# Altium PCB LimeSDR-QPCIe_1v2.PcbDoc (part 8 of 21)
Units mm, origin at the board's own origin, x right, y up, seen from the top; angles counter-clockwise.
Board outline 190 x 111.15 mm, 14 copper layers (Top, L2, L3, L4, L5, L6, L7, L8, L9, L10, L11, L12, L13, Bottom), stack 1.907 mm thick; 2014 components, 1408 nets, 9111 pads, 4171 vias.
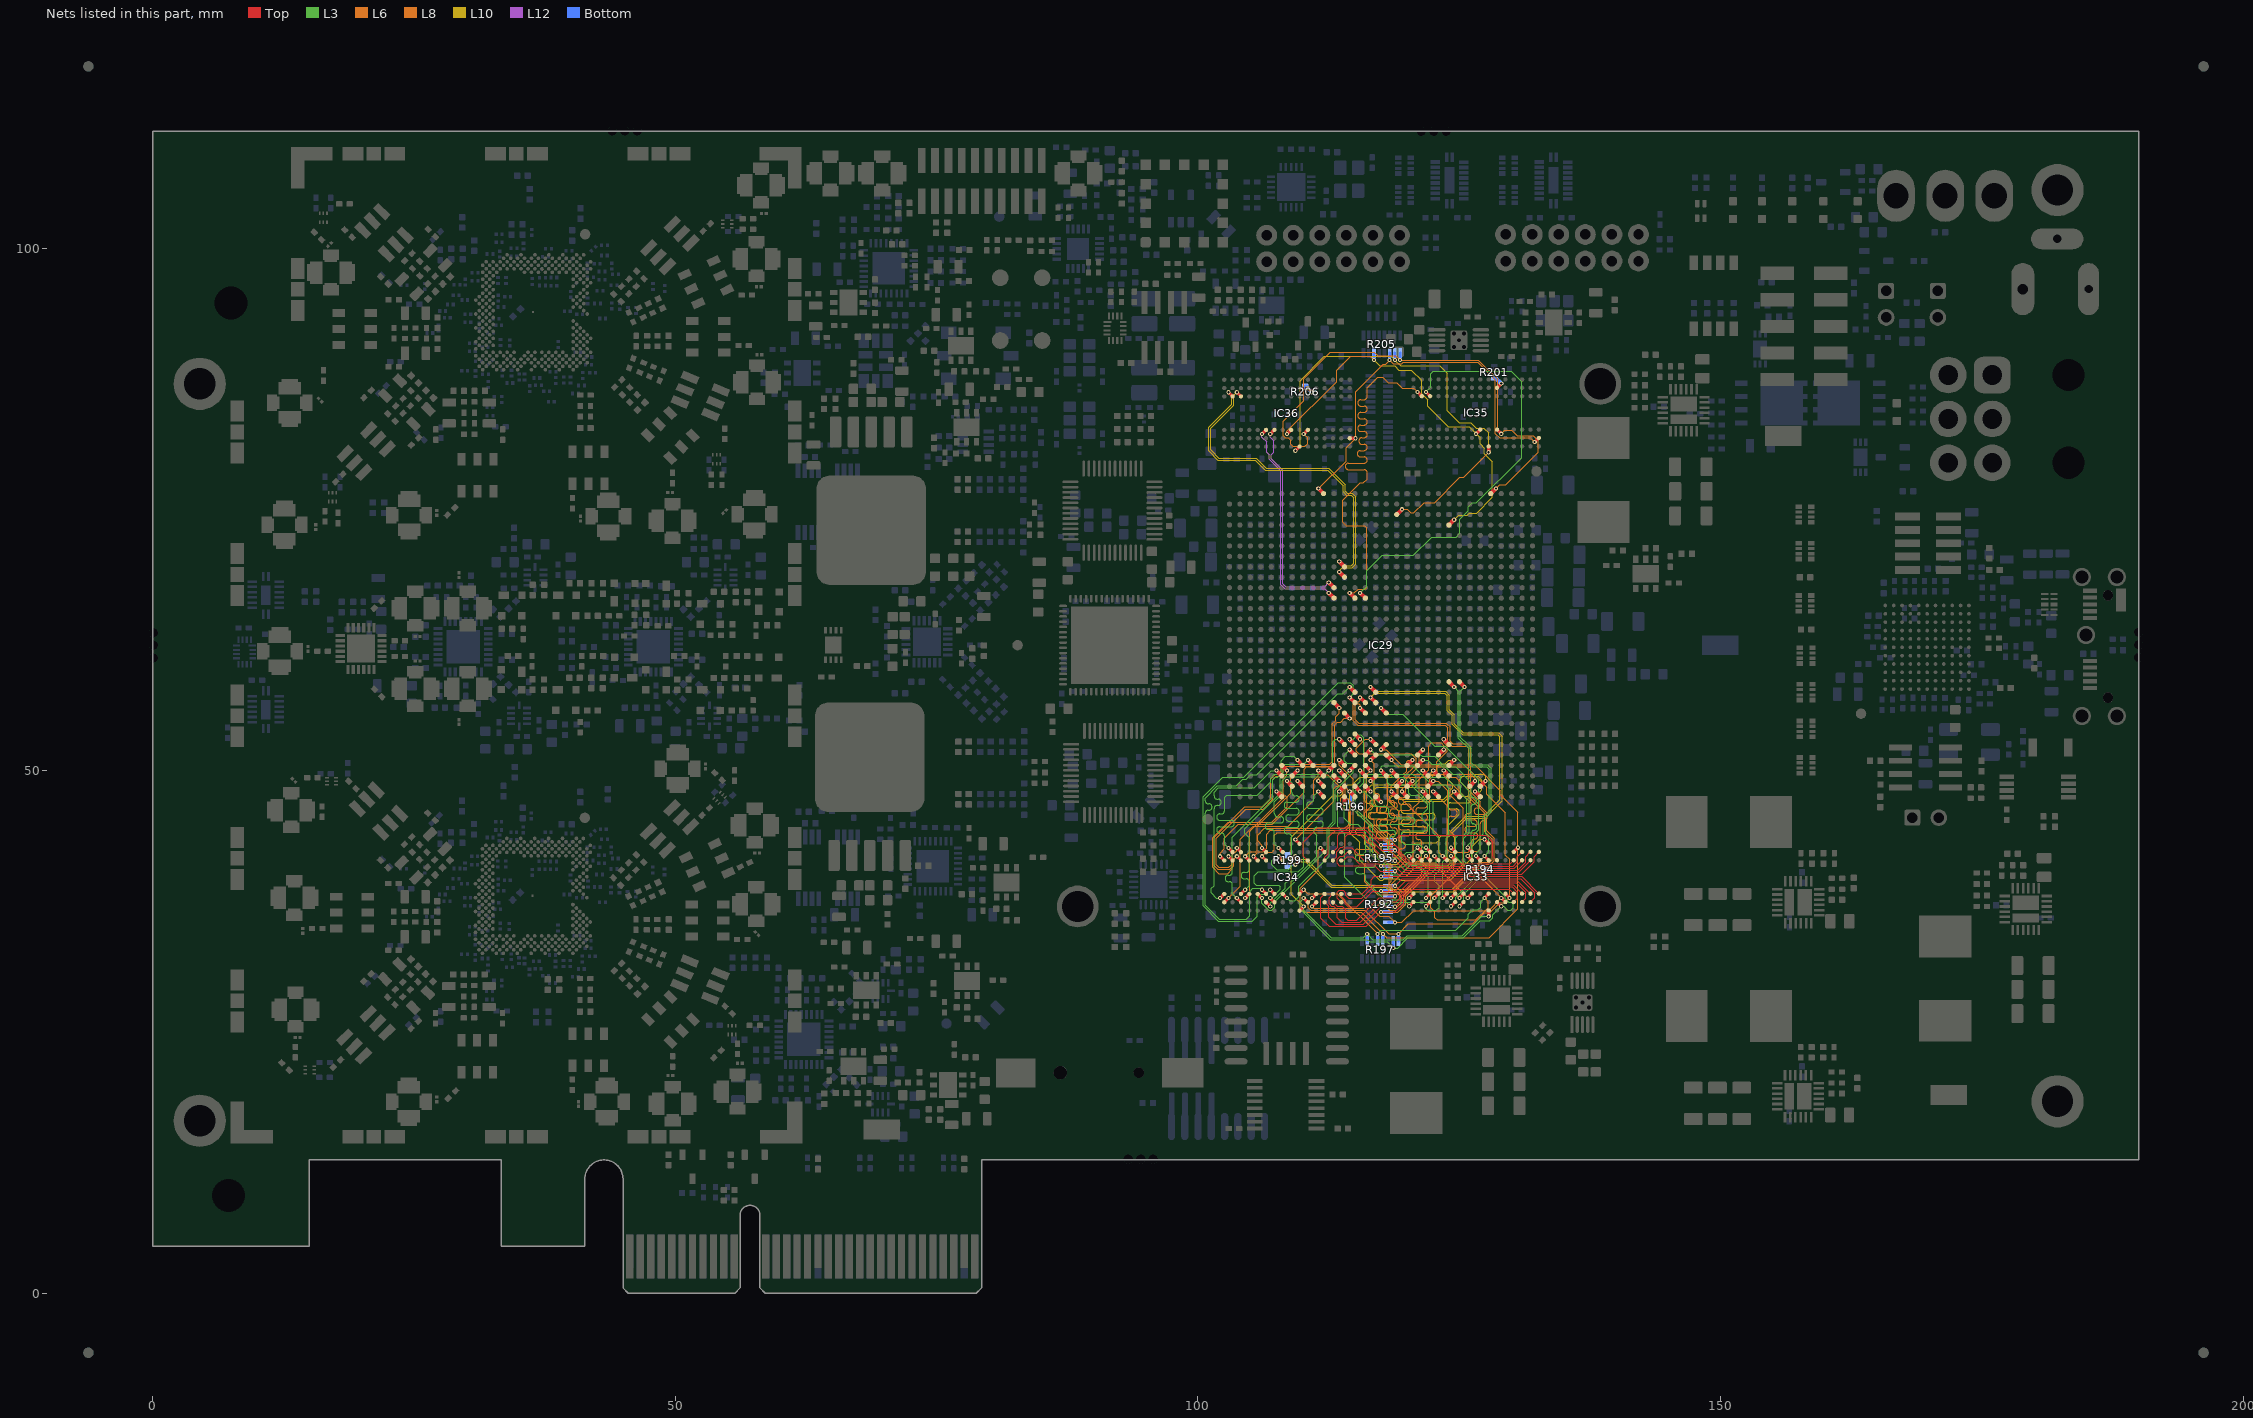
[diagram p20: the nets of this part, all layers, seen from the top]

## Via types
v1: diameter 0.4, hole 0.2, Top to Bottom, tented both sides, 3282 vias
v2: diameter 0.4, hole 0.2, Top to Bottom, tented top, 531 vias
v3: diameter 0.35, hole 0.2, Top to Bottom, tented top, 210 vias
v4: diameter 0.5, hole 0.2, Top to Bottom, tented both sides, 99 vias
v5: diameter 0.5, hole 0.2, Top to Bottom, tented bottom, 49 vias

## Nets (pads, with @x,y where several pads share a name; then routed paths per layer and width w, separated by ;. In a path a pad name is that pad's centre, name@x,y a point inside that pad or via, vN(x,y) a via of type N, cw(c..) or ccw(c..) an arc to the next point about the centre after c; other vN are vias at no path point) (continued)
DDR3_BOT_DQS1_N: IC29.Y18 IC35.B7 | length 41.2
  Top w0.309: v1(121.025,86.225) IC35.B7@121.425,85.825
  Top w0.4: v2(114.525,67) IC29.Y18@115.025,66.5
  L8 w0.1: v2(114.525,67) 114.975,67 115.325,67.35 116.025,67.35 116.175,67.5 116.175,73.225 115.95,73.45 114.175,73.45 113.875,73.75 113.875,75.855 115.545,77.525 115.825,77.525 116.2,77.9 116.2,78.192 116.2,78.496 ccw(c115.896,78.496) 115.896,78.8 114.402,78.8 cw(c114.402,79.104) 114.098,79.104 cw(c114.402,79.104) 114.402,79.408 115.896,79.408 ccw(c115.896,79.712) 116.2,79.712 ccw(c115.896,79.712) 115.896,80.016 115.559,80.016 cw(c115.559,80.32) 115.255,80.32 cw(c115.559,80.32) 115.559,80.624 115.896,80.624 ccw(c115.896,80.928) 116.2,80.928 ccw(c115.896,80.928) 115.896,81.232 115.689,81.232 cw(c115.689,81.536) 115.385,81.536 cw(c115.689,81.536) 115.689,81.84 115.896,81.84 ccw(c115.896,82.144) 116.2,82.144 ccw(c115.896,82.144) 115.896,82.448 115.595,82.448 cw(c115.595,82.752) 115.291,82.752 cw(c115.595,82.752) 115.595,83.056 115.896,83.056 ccw(c115.896,83.36) 116.2,83.36 ccw(c115.896,83.36) 115.896,83.664 115.595,83.664 cw(c115.595,83.968) 115.291,83.968 cw(c115.595,83.968) 115.595,84.272 115.896,84.272 ccw(c115.896,84.576) 116.2,84.576 ccw(c115.896,84.576) 115.896,84.88 115.595,84.88 cw(c115.595,85.184) 115.291,85.184 cw(c115.595,85.184) 115.595,85.488 115.896,85.488 ccw(c115.896,85.792) 116.2,85.792 116.2,86.096 116.2,86.4 116.2,86.608 117.217,87.625 117.7,87.625 118.2,87.125 119.02,87.125 119.545,86.6 120.65,86.6 v1(121.025,86.225)
DDR3_BOT_DQS1_P: IC29.Y17 IC35.C7 | length 42.4
  Top w0.309: v1(121.825,86.225) IC35.C7@122.225,85.825
  Top w0.4: v2(115.525,67) IC29.Y17@116.025,66.5
  L3 w0.1: v2(115.525,67) 116.175,67.65 116.175,69.145 117.633,70.603 120.628,70.603 122.375,72.35 124.7,72.35 125.075,72.725 125.075,74.055 125.875,74.855 125.875,75.25 126.255,75.63 126.65,75.63 130.975,79.955 130.975,87.2 129.975,88.2 122.505,88.2 122.275,87.97 122.275,86.675 v1(121.825,86.225)
DDR3_BOT_DQS2_N: IC29.AA20 IC36.G3 | length 21
  Top w0.309: v1(106.925,82.2) IC36.G3@107.325,82.6
  Top w0.4: v2(112.525,68) IC29.AA20@113.025,67.5
  L12 w0.1: v1(106.925,82.2) 106.925,81.895 107.275,81.545 107.275,80.45 107.025,80.2 107.025,79.85 108.125,78.75 108.125,67.875 108.4,67.6 112.125,67.6 v2(112.525,68)
DDR3_BOT_DQS2_P: IC29.Y20 IC36.F3 | length 21.4
  Top w0.309: v1(106.125,82.2) IC36.F3@106.525,82.6
  Top w0.4: v2(112.525,67) IC29.Y20@113.025,66.5
  L12 w0.1: v1(106.125,82.2) 106.125,81.895 106.575,81.445 106.575,80.455 106.825,80.205 106.825,79.767 107.925,78.667 107.925,67.792 108.317,67.4 112.125,67.4 v2(112.525,67)
DDR3_BOT_DQS3_N: IC29.AC19 IC36.B7 | length 32
  Top w0.309: v1(102.925,86.2) IC36.B7@103.325,85.8
  Top w0.4: v2(113.525,70) IC29.AC19@114.025,69.5
  L10 w0.1: v1(102.925,86.2) 103.225,85.9 103.225,85.058 101.025,82.858 101.025,80.592 101.917,79.7 105.492,79.7 106.467,78.725 112.45,78.725 113.9,77.275 113.9,76.667 114.217,76.35 114.67,76.35 114.9,76.12 114.9,69.825 114.675,69.6 113.8,69.6 113.525,69.875 v2(113.525,70)
DDR3_BOT_DQS3_P: IC29.AB19 IC36.C7 | length 32.3
  Top w0.309: v1(103.725,86.2) IC36.C7@104.125,85.8
  Top w0.4: v2(113.525,69) IC29.AB19@114.025,68.5
  L10 w0.1: v1(103.725,86.2) 103.425,85.9 103.425,84.975 101.225,82.775 101.225,80.675 102,79.9 105.575,79.9 106.55,78.925 112.533,78.925 114.1,77.358 114.1,76.75 114.3,76.55 114.753,76.55 115.1,76.203 115.1,69.742 114.758,69.4 113.8,69.4 113.525,69.125 v2(113.525,69)
DDR3_BOT_ODT: IC29.AH14 IC35.K1 IC36.K1 R205.2 | length 46.3
  Top w0.309: v1(109.325,80.6) IC36.K1@109.725,81 ; v1(127.825,80.459) IC35.K1@127.825,81.025
  Top w0.4: IC29.AH14@119.025,74.5 v2(119.525,75)
  L6 w0.1: v2(119.525,75) 120.03,75 120.38,74.65 120.67,74.65 121.67,75.65 122.68,75.65 125.08,78.05 125.416,78.05 v1(127.825,80.459)
  L10 w0.1: v1(109.325,80.6) 109.775,81.05 109.775,87.3 112.1,89.625 118.5,89.625 v1(118.85,89.275) 119.4,88.725 123.125,88.725 123.85,88 123.85,84.45 125,83.3 126.116,83.3 126.641,82.775 127.37,82.775 127.825,82.32 v1(127.825,80.459)
  Bottom w0.254: v1@118.85,89.25 v1(118.85,89.275) R205.2@118.85,89.95
DDR3_BOT_RASN: IC29.AG9 IC35.J3 IC36.J3 R205.6 | length 39.9
  Top w0.309: v1(108.525,82.2) IC36.J3@108.925,82.6 ; v1(126.625,82.225) IC35.J3@127.025,82.625
  Top w0.4: IC29.AG9@124.025,73.5 v2(124.525,74)
  L10 w0.1: v1(116.85,89.275) 117.05,89.075 117.055,89.075 117.405,88.725 118.834,88.725 119.234,88.325 120.425,88.325 121.425,87.325 121.425,86.05 122,85.475 122,84.85 123.95,82.9 125.95,82.9 v1(126.625,82.225) 127,81.85 127,81.25 127.4,80.85 127.4,80.325 128.175,79.55 128.175,76.155 126.66,74.64 125.943,74.64 125.753,74.45 124.975,74.45 v2(124.525,74)
  L8 w0.1: v1(108.525,82.2) 108.525,82.45 113.3,87.225 113.3,88.3 114.625,89.625 116.5,89.625 v1(116.85,89.275)
  Bottom w0.254: v1(116.85,89.275) R205.6@116.85,89.95
DDR3_BOT_RESETN: IC29.AK21 IC35.T2 IC36.T2 R205.3 | length 38
  Top w0.309: IC36.T2@114.525,81.8 v1(115.091,81.8) ; v1(132.225,81.425) IC35.T2@132.625,81.825
  Top w0.4: v2(111.525,77) IC29.AK21@112.025,76.5
  L8 w0.1: v2(111.525,77) 111.572,77 114.175,79.603 114.175,80.884 v1(115.091,81.8) 115.091,86.233 117.758,88.9 117.975,88.9 v1(118.35,89.275) 118.355,89.275 118.705,88.925 119.495,88.925 119.645,89.075 126.767,89.075 128.475,87.367 128.475,85.953 ; 128.475,82.492 128.475,82.25 128.875,81.85 131.8,81.85 v1(132.225,81.425) ; 128.475,82.492 128.475,84.402 128.475,85.952
  Bottom w0.254: v1@118.35,89.25 v1(118.35,89.275) R205.3@118.35,89.95
DDR3_BOT_RZQ0: IC35.L8 R201.1 | length 1.5
  Top w0.309: IC35.L8@128.625,86.625 v1(129.025,87.025)
  Bottom w0.4: R201.1@128.35,87.625 128.425,87.625 v1(129.025,87.025)
DDR3_BOT_RZQ1: IC36.L8 R206.1 | length 1.4
  Top w0.309: IC36.L8@110.525,86.6 v1(110.925,86.2)
  Bottom w0.4: R206.1@110.275,86.725 110.4,86.725 v1(110.925,86.2)
DDR3_BOT_WEN: IC29.AK5 IC35.L3 IC36.L3 R205.1 | length 49.7
  Top w0.309: v1(110.125,82.2) IC36.L3@110.525,82.6 ; IC35.L3@128.625,82.625 v1(129.025,82.225)
  Top w0.4: IC29.AK5@128.025,76.5 v2(128.525,77)
  L8 w0.1: v1(110.125,82.2) 110.5,81.825 110.5,81.28 110.245,81.025 109.075,81.025 108.875,81.225 108.875,81.625 108.65,81.85 108.38,81.85 108.175,82.055 108.175,83.433 110.125,85.383 110.125,87.5 112.65,90.025 116.878,90.025 117.228,89.675 118.95,89.675 v1(119.35,89.275) 126.85,89.275 128.675,87.45 128.675,86.036 ; v2(128.525,77) 128.875,77.35 129.47,77.35 132.575,80.455 132.575,81.57 132.095,82.05 130.55,82.05 130.025,82.575 129.375,82.575 v1(129.025,82.225) 128.675,82.575 128.675,84.32 128.675,86.035
  Bottom w0.254: v1@119.35,89.25 v1(119.35,89.275) R205.1@119.35,89.95
DDR3_TOP_A0: IC29.B11 IC33.N3 IC34.N3 R192.6 | length 44.5
  Top w0.1: IC34.N3@112.125,38.2 111.77,37.845 111.77,35.894 112.58,35.084 116.134,35.084 v1(117.525,36.475) 118.875,36.475 119.7,37.3 119.7,37.925 120.445,38.67 129.78,38.67 IC33.N3@130.225,38.225
  Top w0.4: IC29.B11@122.025,48.5 v2(122.525,49)
  L8 w0.1: v1(117.525,36.475) 117.575,36.425 119.103,36.425 119.875,37.197 119.875,37.97 120.08,38.175 120.083,38.175 122.183,40.275 123.8,40.275 124.625,41.1 124.625,43.725 123.925,44.425 123.925,45.334 cw(c124.229,45.334) 124.229,45.638 124.522,45.638 ccw(c124.522,45.942) 124.826,45.942 ccw(c124.522,45.942) 124.522,46.246 124.229,46.246 cw(c124.229,46.55) 123.925,46.55 123.925,48.095 123.02,49 v2(122.525,49)
  Bottom w0.254: v1(117.525,36.475) R192.6@118.2,36.475
DDR3_TOP_A1: IC29.A11 IC33.P7 IC34.P7 R195.4 | length 44
  Top w0.1: IC34.P7@112.925,41.4 113.28,41.755 113.28,42.257 113.668,42.645 113.872,42.645 114.1,42.873 114.1,43.675 114.341,43.916 115.484,43.916 v1(117.525,41.875) 118.875,41.875 120.08,40.67 130.27,40.67 IC33.P7@131.025,41.425
  Top w0.4: v2(121.525,48) IC29.A11@122.025,47.5
  L10 w0.1: v1(117.525,41.875) 117.313,41.875 116.925,42.263 116.925,42.65 ccw(c116.621,42.65) 116.621,42.954 116.579,42.954 cw(c116.579,43.258) 116.275,43.258 cw(c116.579,43.258) 116.579,43.562 116.925,43.562 117.859,43.562 ccw(c117.859,43.866) 118.163,43.866 ccw(c117.859,43.866) 117.859,44.17 116.925,44.17 116.579,44.17 cw(c116.579,44.474) 116.275,44.474 cw(c116.579,44.474) 116.579,44.778 116.925,44.778 117.859,44.778 ccw(c117.859,45.082) 118.163,45.082 ccw(c117.859,45.082) 117.859,45.386 116.925,45.386 116.579,45.386 cw(c116.579,45.69) 116.275,45.69 cw(c116.579,45.69) 116.579,45.994 116.925,45.994 117.764,45.994 ccw(c117.764,46.298) 118.068,46.298 ccw(c117.764,46.298) 117.764,46.602 117.229,46.602 cw(c117.229,46.906) 116.925,46.906 116.925,47.975 116.925,48.225 117.125,48.425 121.375,48.425 121.525,48.275 v2(121.525,48)
  Bottom w0.254: v1(117.525,41.875) R195.4@118.2,41.875
DDR3_TOP_A2: IC29.F9 IC33.P3 IC34.P3 R192.4 | length 44.5
  Top w0.1: IC34.P3@112.925,38.2 112.57,37.845 112.57,37.253 112.778,37.045 112.982,37.045 113.325,36.702 113.325,35.939 113.78,35.484 115.534,35.484 v1(117.525,37.475) 119,37.475 119.3,37.775 119.3,38.091 120.279,39.07 130.18,39.07 IC33.P3@131.025,38.225
  Top w0.4: v2(123.525,53) IC29.F9@124.025,52.5
  L8 w0.1: v1(117.525,37.475) 118.375,36.625 119.02,36.625 119.675,37.28 119.675,38.053 119.997,38.375 120,38.375 122.175,40.55 122.175,49.155 122.875,49.855 122.875,50.855 123.875,51.855 123.875,52.35 123.525,52.7 v2(123.525,53)
  Bottom w0.254: v1(117.525,37.475) R192.4@118.2,37.475
DDR3_TOP_A3: IC29.E10 IC33.N2 IC34.N2 R192.5 | length 44.3
  Top w0.1: IC34.N2@112.125,37.4 112.5,37.025 112.5,35.964 113.18,35.284 115.809,35.284 117.5,36.975 v1(118.875,36.975) 119.5,37.6 119.5,38.008 120.362,38.87 130.082,38.87 130.58,38.372 130.58,37.78 IC33.N2@130.225,37.425
  Top w0.4: IC29.E10@123.025,51.5 v2(123.525,52)
  L8 w0.1: v1(118.875,36.975) 119.087,36.975 119.475,37.363 119.475,38.05 119.125,38.4 118.725,38.4 118.525,38.6 118.525,39.125 120.625,41.225 120.625,46.425 121.175,46.975 121.175,49.15 122.1,50.075 122.1,52.4 122.35,52.65 123.275,52.65 123.525,52.4 v2(123.525,52)
  Bottom w0.254: R192.5@118.2,36.975 v1(118.875,36.975) v1@118.9,36.975
DDR3_TOP_A4: IC29.F16 IC33.P8 IC34.P8 R195.3 | length 44.4
  Top w0.1: IC34.P8@112.925,42.2 113.37,42.645 113.37,43.795 113.691,44.116 115.784,44.116 117.535,42.365 118.9,42.365 120.395,40.87 130.172,40.87 130.58,41.278 130.58,41.78 IC33.P8@131.025,42.225
  Top w0.4: v2(116.525,53) IC29.F16@117.025,52.5
  L8 w0.1: v2(116.525,53) 116.02,53 115.175,52.155 115.175,51.855 115.405,51.625 120.395,51.625 120.875,51.145 120.875,50.572 119.653,49.35 119.37,49.35 119.175,49.155 119.175,48.125 119.175,47.825 119,47.65 118.5,47.65 118.375,47.525 118.375,47.25 ccw(c118.679,47.25) 118.679,46.946 118.799,46.946 cw(c118.799,46.642) 119.103,46.642 cw(c118.799,46.642) 118.799,46.338 118.679,46.338 ccw(c118.679,46.034) 118.375,46.034 ccw(c118.679,46.034) 118.679,45.73 118.799,45.73 cw(c118.799,45.426) 119.103,45.426 cw(c118.799,45.426) 118.799,45.122 118.679,45.122 ccw(c118.679,44.818) 118.375,44.818 ccw(c118.679,44.818) 118.679,44.514 118.799,44.514 cw(c118.799,44.21) 119.103,44.21 cw(c118.799,44.21) 118.799,43.906 118.679,43.906 ccw(c118.679,43.602) 118.375,43.602 118.375,43.298 118.375,43.075 118.375,42.875 v1(118.875,42.375)
  Bottom w0.254: R195.3@118.2,42.375 v1(118.875,42.375) v1@118.9,42.375
DDR3_TOP_A5: IC29.E16 IC33.P2 IC34.P2 R192.3 | length 44.5
  Top w0.1: IC34.P2@112.925,37.4 113.325,37 113.827,37 114.15,36.677 114.15,35.875 114.341,35.684 115.209,35.684 117.35,37.825 118.725,37.825 v1(118.875,37.975) 120.17,39.27 130.482,39.27 131.38,38.372 131.38,37.78 IC33.P2@131.025,37.425
  Top w0.4: v2(116.525,51) IC29.E16@117.025,51.5
  L8 w0.1: v2(116.525,51) 116.875,50.65 116.875,46.875 115.975,45.975 115.975,43.4 ccw(c116.279,43.4) 116.279,43.096 116.661,43.096 cw(c116.661,42.792) 116.965,42.792 cw(c116.661,42.792) 116.661,42.488 115.975,42.488 115.289,42.488 ccw(c115.289,42.184) 114.985,42.184 ccw(c115.289,42.184) 115.289,41.88 115.975,41.88 116.661,41.88 cw(c116.661,41.576) 116.965,41.576 cw(c116.661,41.576) 116.661,41.272 116.279,41.272 ccw(c116.279,40.968) 115.975,40.968 115.975,40.025 115.975,39.375 117.225,38.125 118.725,38.125 v1(118.875,37.975)
  Bottom w0.254: R192.3@118.2,37.975 v1(118.875,37.975) v1@118.9,37.975
DDR3_TOP_A6: IC29.D9 IC33.R8 IC34.R8 R195.5 | length 43.9
  Top w0.1: IC34.R8@113.725,42.2 114.125,42.6 114.7,42.6 115.925,41.375 v1(118.875,41.375) 119.78,40.47 130.62,40.47 131.38,41.23 131.38,41.78 IC33.R8@131.825,42.225
  Top w0.4: IC29.D9@124.025,50.5 v2(124.525,51)
  L10 w0.1: v1(118.875,41.375) 117.53,41.375 116.09,42.815 115.975,42.93 115.975,43.534 ccw(c115.671,43.534) 115.671,43.838 115.378,43.838 cw(c115.378,44.142) 115.074,44.142 cw(c115.378,44.142) 115.378,44.446 115.671,44.446 ccw(c115.671,44.75) 115.975,44.75 115.975,45.25 115.975,45.351 ccw(c115.671,45.351) 115.671,45.655 115.517,45.655 cw(c115.517,45.959) 115.213,45.959 cw(c115.517,45.959) 115.517,46.263 115.975,46.263 116.433,46.263 ccw(c116.433,46.567) 116.737,46.567 ccw(c116.433,46.567) 116.433,46.871 116.279,46.871 cw(c116.279,47.175) 115.975,47.175 115.975,47.945 116.655,48.625 120.645,48.625 121.37,49.35 121.663,49.35 121.888,49.575 122.7,49.575 122.9,49.775 122.9,50.425 123.125,50.65 123.675,50.65 124.025,51 v2(124.525,51)
  Bottom w0.254: R195.5@118.2,41.375 v1(118.875,41.375) v1@118.9,41.375
DDR3_TOP_A7: IC29.C10 IC33.R2 IC34.R2 R192.1 | length 44.1
  Top w0.1: IC34.R2@113.725,37.4 113.325,37.8 113.325,38.35 113.53,38.555 113.895,38.555 114.17,38.28 114.17,38.053 114.448,37.775 115.675,37.775 116.875,38.975 v1(118.875,38.975) 119.57,39.67 130.882,39.67 132.18,38.372 132.18,38.37 132.225,38.325 132.225,37.825 IC33.R2@131.825,37.425
  Top w0.4: v2(122.525,50) IC29.C10@123.025,49.5
  L8 w0.1: v1(118.875,38.975) 119.4,38.45 119.775,38.45 121.375,40.05 121.425,40.1 121.425,40.105 121.425,40.409 ccw(c121.121,40.409) 121.121,40.713 121.084,40.713 cw(c121.084,41.017) 120.78,41.017 cw(c121.084,41.017) 121.084,41.321 121.121,41.321 ccw(c121.121,41.625) 121.425,41.625 121.425,43.1 121.425,43.108 ccw(c121.129,43.108) 121.129,43.404 cw(c121.129,43.708) 120.825,43.708 cw(c121.129,43.708) 121.129,44.012 121.425,44.012 121.671,44.012 ccw(c121.671,44.316) 121.975,44.316 ccw(c121.671,44.316) 121.671,44.62 121.425,44.62 121.129,44.62 cw(c121.129,44.924) 120.825,44.924 cw(c121.129,44.924) 121.129,45.228 121.425,45.228 121.671,45.228 ccw(c121.671,45.532) 121.975,45.532 ccw(c121.671,45.532) 121.671,45.836 121.425,45.836 121.129,45.836 cw(c121.129,46.14) 120.825,46.14 cw(c121.129,46.14) 121.129,46.444 121.425,46.444 121.671,46.444 ccw(c121.671,46.748) 121.975,46.748 ccw(c121.671,46.748) 121.671,47.052 121.648,47.052 cw(c121.648,47.275) 121.425,47.275 121.425,47.375 121.875,47.825 121.875,49.35 v2(122.525,50)
  Bottom w0.254: R192.1@118.2,38.975 v1(118.875,38.975) v1@118.9,38.975
DDR3_TOP_A8: IC29.E12 IC33.T8 IC34.T8 R195.7 | length 44.2
  Top w0.1: IC34.T8@114.525,42.2 114.3,42.2 113.9,41.8 113.623,41.8 113.325,41.502 113.325,41.125 113.55,40.9 116.925,40.9 117.45,40.375 v1(118.875,40.375) 119.18,40.07 130.972,40.07 132.18,41.278 132.18,41.78 IC33.T8@132.625,42.225
  Top w0.4: IC29.E12@121.025,51.5 v2(121.525,52)
  L8 w0.1: v1(118.875,40.375) 119.875,41.375 119.875,41.625 ccw(c119.571,41.625) 119.571,41.929 119.531,41.929 cw(c119.531,42.233) 119.227,42.233 cw(c119.531,42.233) 119.531,42.537 119.571,42.537 ccw(c119.571,42.841) 119.875,42.841 ccw(c119.571,42.841) 119.571,43.145 119.543,43.145 cw(c119.543,43.449) 119.239,43.449 cw(c119.543,43.449) 119.543,43.753 119.875,43.753 120.039,43.753 ccw(c120.039,44.057) 120.343,44.057 ccw(c120.039,44.057) 120.039,44.361 119.875,44.361 119.467,44.361 cw(c119.467,44.665) 119.163,44.665 cw(c119.467,44.665) 119.467,44.969 119.875,44.969 120.103,44.969 ccw(c120.103,45.273) 120.407,45.273 ccw(c120.103,45.273) 120.103,45.577 119.875,45.577 119.467,45.577 cw(c119.467,45.881) 119.163,45.881 cw(c119.467,45.881) 119.467,46.185 119.875,46.185 120.103,46.185 ccw(c120.103,46.489) 120.407,46.489 ccw(c120.103,46.489) 120.103,46.793 119.875,46.793 119.467,46.793 cw(c119.467,47.097) 119.163,47.097 cw(c119.467,47.097) 119.467,47.401 119.571,47.401 ccw(c119.571,47.705) 119.875,47.705 119.875,48.025 119.875,49.15 121.175,50.45 121.175,51.65 v2(121.525,52)
  Bottom w0.254: R195.7@118.2,40.375 v1(118.875,40.375) v1@118.9,40.375
DDR3_TOP_A9: IC29.D13 IC33.R3 IC34.R3 R192.2 | length 44.5
  Top w0.1: IC34.R3@113.725,38.2 113.725,37.975 114.1,37.6 114.1,37.25 114.375,36.975 115.225,36.975 116.725,38.475 v1(117.525,38.475) 118.875,38.475 119.87,39.47 130.58,39.47 IC33.R3@131.825,38.225
  Top w0.4: IC29.D13@120.025,50.5 v2(120.525,51)
  L8 w0.1: v1(117.525,38.475) 117.675,38.325 118.175,38.325 118.325,38.475 118.325,39.225 118.525,39.425 118.525,39.65 ccw(c118.221,39.65) 118.221,39.954 118.099,39.954 cw(c118.099,40.258) 117.795,40.258 cw(c118.099,40.258) 118.099,40.562 118.221,40.562 ccw(c118.221,40.866) 118.525,40.866 ccw(c118.221,40.866) 118.221,41.17 118.099,41.17 cw(c118.099,41.474) 117.795,41.474 cw(c118.099,41.474) 118.099,41.778 118.221,41.778 ccw(c118.221,42.082) 118.525,42.082 118.525,42.192 118.175,42.542 118.175,43.075 118.175,43.202 ccw(c117.871,43.202) 117.871,43.506 117.361,43.506 cw(c117.361,43.81) 117.057,43.81 cw(c117.361,43.81) 117.361,44.114 117.871,44.114 ccw(c117.871,44.418) 118.175,44.418 ccw(c117.871,44.418) 117.871,44.722 117.361,44.722 cw(c117.361,45.026) 117.057,45.026 cw(c117.361,45.026) 117.361,45.33 117.871,45.33 ccw(c117.871,45.634) 118.175,45.634 ccw(c117.871,45.634) 117.871,45.938 117.361,45.938 cw(c117.361,46.242) 117.057,46.242 cw(c117.361,46.242) 117.361,46.546 117.871,46.546 ccw(c117.871,46.85) 118.175,46.85 118.175,49.425 118.4,49.65 119.67,49.65 119.975,49.955 119.975,50.825 120.15,51 v2(120.525,51)
  Bottom w0.254: v1(117.525,38.475) R192.2@118.2,38.475
DDR3_TOP_A10: IC29.B7 IC33.L7 IC34.L7 R195.1 | length 44.4
  Top w0.1: IC34.L7@110.525,41.4 110.1,41.825 110.1,43.15 111.466,44.516 116.184,44.516 117.325,43.375 v1(118.875,43.375) 119.3,43.8 127.575,43.8 128.225,43.15 128.225,41.825 IC33.L7@128.625,41.425
  Top w0.4: IC29.B7@126.025,48.5 v2(126.525,49)
  L6 w0.1: v1(118.875,43.375) 118.125,44.125 118.125,44.4 ccw(c117.821,44.4) 117.821,44.704 117.708,44.704 cw(c117.708,45.008) 117.404,45.008 cw(c117.708,45.008) 117.708,45.312 118.125,45.312 118.542,45.312 ccw(c118.542,45.616) 118.846,45.616 ccw(c118.542,45.616) 118.542,45.92 118.125,45.92 117.708,45.92 cw(c117.708,46.224) 117.404,46.224 cw(c117.708,46.224) 117.708,46.528 118.125,46.528 118.542,46.528 ccw(c118.542,46.832) 118.846,46.832 ccw(c118.542,46.832) 118.542,47.136 118.429,47.136 cw(c118.429,47.44) 118.125,47.44 118.125,47.975 118.125,49.275 118.5,49.65 126.097,49.65 126.297,49.45 126.3,49.45 126.525,49.225 v2(126.525,49)
  Bottom w0.254: R195.1@118.2,43.375 v1(118.875,43.375)
DDR3_TOP_A11: IC29.A8 IC33.R7 IC34.R7 R195.6 | length 43.9
  Top w0.1: IC34.R7@113.725,41.4 113.95,41.4 114.305,41.755 114.8,41.755 115.455,41.1 117.3,41.1 v1(117.525,40.875) 118.875,40.875 119.48,40.27 130.703,40.27 131.825,41.392 IC33.R7@131.825,41.425
  Top w0.4: v2(124.525,48) IC29.A8@125.025,47.5
  L10 w0.1: v1(117.525,40.875) 117.675,41.025 119.075,41.025 119.45,41.4 119.45,43.175 119.45,43.479 119.45,43.783 cw(c119.754,43.783) 119.754,44.087 121.453,44.087 ccw(c121.453,44.391) 121.757,44.391 ccw(c121.453,44.391) 121.453,44.695 119.754,44.695 cw(c119.754,44.999) 119.45,44.999 cw(c119.754,44.999) 119.754,45.303 122.416,45.303 ccw(c122.416,45.607) 122.72,45.607 ccw(c122.416,45.607) 122.416,45.911 119.754,45.911 cw(c119.754,46.215) 119.45,46.215 119.45,46.375 119.45,46.7 119.825,47.075 123.6,47.075 v2(124.525,48)
  Bottom w0.254: v1(117.525,40.875) R195.6@118.2,40.875
DDR3_TOP_A12: IC29.B6 IC33.N7 IC34.N7 R195.2 | length 43.9
  Top w0.1: IC34.N7@112.125,41.4 112.125,41.698 112.48,42.053 112.48,43.616 113.18,44.316 116.084,44.316 v1(117.525,42.875) 118.875,42.875 119.225,42.525 119.225,42.323 120.478,41.07 129.87,41.07 IC33.N7@130.225,41.425
  Top w0.4: IC29.B6@127.025,48.5 v2(127.525,49)
  L10 w0.1: v1(117.525,42.875) 117.525,42.425 118.225,41.725 118.925,41.725 119.25,42.05 119.25,46.048 118.3,46.998 118.3,47.275 118.575,47.55 119,47.55 119.275,47.275 123.517,47.275 124.15,47.908 124.15,48.12 124.4,48.37 124.4,48.7 123.975,49.125 123.975,49.4 124.225,49.65 127.325,49.65 127.525,49.45 v2(127.525,49)
  Bottom w0.254: v1(117.525,42.875) R195.2@118.2,42.875
DDR3_TOP_A13: IC29.A6 IC33.T3 IC34.T3 R195.8 | length 44.1
  Top w0.1: IC34.T3@114.525,38.2 115.725,38.2 116.6,39.075 116.6,39.575 116.9,39.875 v1(117.525,39.875) 117.525,39.87 130.98,39.87 IC33.T3@132.625,38.225